# EAGLE board 14202-RedBoard-Panel (EAGLE 9.0.1), part 3 of 6
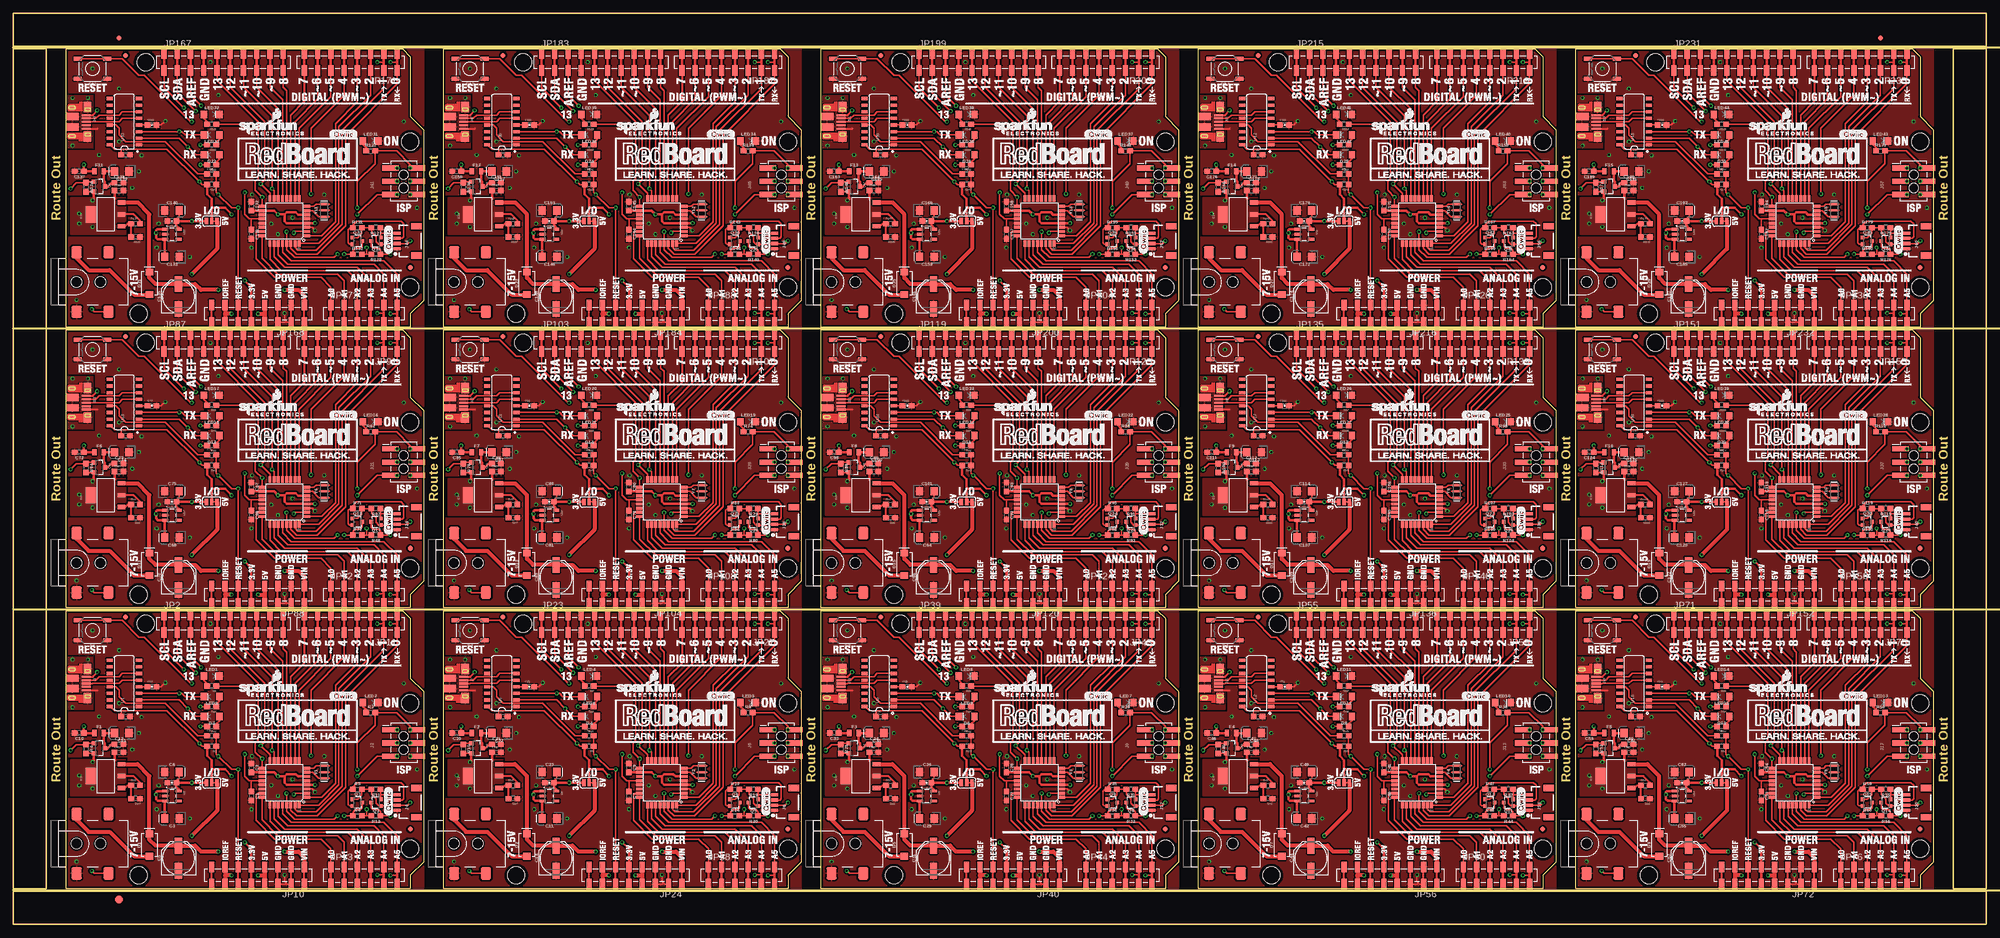
[diagram p0: board, top side]
## Tracks (layer width: path | path; a pad name or v marks a point on that pad's centre or on a via) (continued)
3.3V12  (via drill 0.38) (continued)
  Top 0.305: C166.+ 176.66,135.77 176.11,135.22 C167.1 | Q39.1 210.84,131.71 211.67,132.55 R155.2 R151.2 213.53,132.68 214.38,131.83 214.38,130.94 214.9,130.41 Q38.1 216.77,130.41 216.92,130.56 J52.2 220.48,130.56 v220.98,131.06
  Top 0.508: JP200.5 190.5,122.17 v189.23,123.44 | I/O12.1 v179.07,134.87 C167.1 176.11,134.02 176.53,133.6 176.53,133.31 U38.5
  Bottom 0.305: v189.23,123.44 190.12,122.56 206.12,122.56 213.36,115.32 217.93,115.32 218.44,115.82 218.44,128.52 v220.98,131.06
  Bottom 0.508: v179.07,134.87 179.07,133.6 v189.23,123.44
3.3V13  (via drill 0.38)
  Top 0.254: 262.89,118.74 JP216.5
  Top 0.305: C179.+ 249.05,135.77 248.5,135.22 C180.1 | Q42.1 283.23,131.71 284.06,132.55 R167.2 R163.2 285.92,132.68 286.77,131.83 286.77,130.94 287.29,130.41 Q41.1 289.16,130.41 289.31,130.56 J56.2 292.87,130.56 v293.37,131.06
  Top 0.508: JP216.5 262.89,122.17 v261.62,123.44 | I/O13.1 v251.46,134.87 C180.1 248.5,134.02 248.92,133.6 248.92,133.31 U41.5
  Bottom 0.305: v261.62,123.44 262.51,122.56 278.51,122.56 285.75,115.32 290.32,115.32 290.83,115.82 290.83,128.52 v293.37,131.06
  Bottom 0.508: v251.46,134.87 251.46,133.6 v261.62,123.44
3.3V14  (via drill 0.38)
  Top 0.254: 335.28,118.74 JP232.5
  Top 0.305: C192.+ 321.44,135.77 320.89,135.22 C193.1 | Q45.1 355.62,131.71 356.45,132.55 R179.2 R175.2 358.31,132.68 359.16,131.83 359.16,130.94 359.68,130.41 Q44.1 361.55,130.41 361.7,130.56 J60.2 365.26,130.56 v365.76,131.06
  Top 0.508: JP232.5 335.28,122.17 v334.01,123.44 | I/O14.1 v323.85,134.87 C193.1 320.89,134.02 321.31,133.6 321.31,133.31 U44.5
  Bottom 0.305: v334.01,123.44 334.9,122.56 350.9,122.56 358.14,115.32 362.71,115.32 363.22,115.82 363.22,128.52 v365.76,131.06
  Bottom 0.508: v323.85,134.87 323.85,133.6 v334.01,123.44
5V  (via drill 0.38)
  Top 0.305: JP10.4 48.26,8.89 | R4.2 15.48,32.8 Q1.2
  Top 0.406: IC3.2 23.11,28.45 24.34,27.22 R15.2
  Top 0.508: C3.+ 29.08,23.59 U3.3 27.75,23.69 27.43,24 v27.43,24.89 27.43,25.4 27.62,25.59 U3.1 | Q1.2 15.51,31.4 v15.24,31.13 | C4.1 19.47,31.41
  Top 0.762: v46.99,9.4 48.01,9.4 48.26,9.65 | v41.91,9.4 40.64,9.4 | 40.64,9.4 JP10.7 | 40.64,11.05 40.64,9.4 | I/O.3 39.12,21.84 v34.29,17.02
  Top 0.813: JP10.4 48.26,9.65 48.26,8.89 48.26,7.75
  Bottom 0.762: v46.99,9.4 v41.91,9.4 v34.29,17.02 27.43,23.88 v27.43,24.89 21.72,24.89
  other vias: 12.7,28.59 15.24,26.05 12.7,26.68
  pour Bottom (isolate 0.305, no thermals): 11.05,36.83 20.95,36.83 20.95,27.18 22.86,25.27 22.86,24.64 11.05,24.64
  pour Top (isolate 0.305, no thermals): 11.05,24.64 11.05,31.62 21.59,31.62 21.59,24.64
5V1  (via drill 0.38)
  Top 0.305: JP24.4 120.65,8.89 | R10.2 87.87,32.8 Q4.2
  Top 0.406: IC1.2 95.5,28.45 96.73,27.22 R18.2
  Top 0.508: C11.+ 101.47,23.59 U5.3 100.14,23.69 99.82,24 v99.82,24.89 99.82,25.4 100.01,25.59 U5.1 | Q4.2 87.9,31.4 v87.63,31.13 | C13.1 91.86,31.41
  Top 0.762: v119.38,9.4 120.4,9.4 120.65,9.65 | v114.3,9.4 113.03,9.4 | 113.03,9.4 JP24.7 | 113.03,11.05 113.03,9.4 | I/O1.3 111.51,21.84 v106.68,17.02
  Top 0.813: JP24.4 120.65,9.65 120.65,8.89 120.65,7.75
  Bottom 0.762: v119.38,9.4 v114.3,9.4 v106.68,17.02 99.82,23.88 v99.82,24.89 94.11,24.89
  other vias: 85.09,28.59 87.63,26.05 85.09,26.68
  pour Bottom (isolate 0.305, no thermals): 83.44,36.83 93.34,36.83 93.34,27.18 95.25,25.27 95.25,24.64 83.44,24.64
  pour Top (isolate 0.305, no thermals): 83.44,24.64 83.44,31.62 93.98,31.62 93.98,24.64
5V2  (via drill 0.38)
  Top 0.305: JP40.4 193.04,8.89 | R28.2 160.26,32.8 Q7.2
  Top 0.406: IC2.2 167.89,28.45 169.12,27.22 R30.2
  Top 0.508: C29.+ 173.86,23.59 U8.3 172.53,23.69 172.21,24 v172.21,24.89 172.21,25.4 172.4,25.59 U8.1 | Q7.2 160.29,31.4 v160.02,31.13 | C30.1 164.25,31.41
  Top 0.762: v191.77,9.4 192.79,9.4 193.04,9.65 | v186.69,9.4 185.42,9.4 | 185.42,9.4 JP40.7 | 185.42,11.05 185.42,9.4 | I/O2.3 183.9,21.84 v179.07,17.02
  Top 0.813: JP40.4 193.04,9.65 193.04,8.89 193.04,7.75
  Bottom 0.762: v191.77,9.4 v186.69,9.4 v179.07,17.02 172.21,23.88 v172.21,24.89 166.5,24.89
  other vias: 157.48,28.59 160.02,26.05 157.48,26.68
  pour Bottom (isolate 0.305, no thermals): 155.83,36.83 165.73,36.83 165.73,27.18 167.64,25.27 167.64,24.64 155.83,24.64
  pour Top (isolate 0.305, no thermals): 155.83,24.64 155.83,31.62 166.37,31.62 166.37,24.64
5V3  (via drill 0.38)
  Top 0.305: JP56.4 265.43,8.89 | R40.2 232.65,32.8 Q10.2
  Top 0.406: IC4.2 240.28,28.45 241.51,27.22 R42.2
  Top 0.508: C42.+ 246.25,23.59 U11.3 244.92,23.69 244.6,24 v244.6,24.89 244.6,25.4 244.79,25.59 U11.1 | Q10.2 232.68,31.4 v232.41,31.13 | C43.1 236.64,31.41
  Top 0.762: v264.16,9.4 265.18,9.4 265.43,9.65 | v259.08,9.4 257.81,9.4 | 257.81,9.4 JP56.7 | 257.81,11.05 257.81,9.4 | I/O3.3 256.29,21.84 v251.46,17.02
  Top 0.813: JP56.4 265.43,9.65 265.43,8.89 265.43,7.75
  Bottom 0.762: v264.16,9.4 v259.08,9.4 v251.46,17.02 244.6,23.88 v244.6,24.89 238.89,24.89
  other vias: 229.87,28.59 232.41,26.05 229.87,26.68
  pour Bottom (isolate 0.305, no thermals): 228.22,36.83 238.12,36.83 238.12,27.18 240.03,25.27 240.03,24.64 228.22,24.64
  pour Top (isolate 0.305, no thermals): 228.22,24.64 228.22,31.62 238.76,31.62 238.76,24.64
5V4  (via drill 0.38)
  Top 0.305: JP72.4 337.82,8.89 | R52.2 305.04,32.8 Q13.2
  Top 0.406: IC5.2 312.67,28.45 313.91,27.22 R54.2
  Top 0.508: C55.+ 318.64,23.59 U14.3 317.31,23.69 316.99,24 v316.99,24.89 316.99,25.4 317.18,25.59 U14.1 | Q13.2 305.07,31.4 v304.8,31.13 | C56.1 309.03,31.41
  Top 0.762: v336.55,9.4 337.57,9.4 337.82,9.65 | v331.47,9.4 330.2,9.4 | 330.2,9.4 JP72.7 | 330.2,11.05 330.2,9.4 | I/O4.3 328.68,21.84 v323.85,17.02
  Top 0.813: JP72.4 337.82,9.65 337.82,8.89 337.82,7.75
  Bottom 0.762: v336.55,9.4 v331.47,9.4 v323.85,17.02 316.99,23.88 v316.99,24.89 311.28,24.89
  other vias: 302.26,28.59 304.8,26.05 302.26,26.68
  pour Bottom (isolate 0.305, no thermals): 300.61,36.83 310.52,36.83 310.52,27.18 312.42,25.27 312.42,24.64 300.61,24.64
  pour Top (isolate 0.305, no thermals): 300.61,24.64 300.61,31.62 311.15,31.62 311.15,24.64
5V5  (via drill 0.38)
  Top 0.305: JP88.4 48.26,62.74 | R64.2 15.48,86.65 Q16.2
  Top 0.406: IC6.2 23.11,82.3 24.34,81.06 R66.2
  Top 0.508: C68.+ 29.08,77.44 U17.3 27.75,77.54 27.43,77.85 v27.43,78.74 27.43,79.25 27.62,79.44 U17.1 | Q16.2 15.51,85.25 v15.24,84.98 | C69.1 19.47,85.26
  Top 0.762: v46.99,63.25 48.01,63.25 48.26,63.5 | v41.91,63.25 40.64,63.25 | 40.64,63.25 JP88.7 | 40.64,64.9 40.64,63.25 | I/O5.3 39.12,75.69 v34.29,70.87
  Top 0.813: JP88.4 48.26,63.5 48.26,62.74 48.26,61.6
  Bottom 0.762: v46.99,63.25 v41.91,63.25 v34.29,70.87 27.43,77.72 v27.43,78.74 21.72,78.74
  other vias: 12.7,82.44 15.24,79.9 12.7,80.53
  pour Bottom (isolate 0.305, no thermals): 11.05,90.68 20.95,90.68 20.95,81.03 22.86,79.12 22.86,78.49 11.05,78.49
  pour Top (isolate 0.305, no thermals): 11.05,78.49 11.05,85.47 21.59,85.47 21.59,78.49
5V6  (via drill 0.38)
  Top 0.305: JP104.4 120.65,62.74 | R76.2 87.87,86.65 Q19.2
  Top 0.406: IC7.2 95.5,82.3 96.73,81.06 R78.2
  Top 0.508: C81.+ 101.47,77.44 U20.3 100.14,77.54 99.82,77.85 v99.82,78.74 99.82,79.25 100.01,79.44 U20.1 | Q19.2 87.9,85.25 v87.63,84.98 | C82.1 91.86,85.26
  Top 0.762: v119.38,63.25 120.4,63.25 120.65,63.5 | v114.3,63.25 113.03,63.25 | 113.03,63.25 JP104.7 | 113.03,64.9 113.03,63.25 | I/O6.3 111.51,75.69 v106.68,70.87
  Top 0.813: JP104.4 120.65,63.5 120.65,62.74 120.65,61.6
  Bottom 0.762: v119.38,63.25 v114.3,63.25 v106.68,70.87 99.82,77.72 v99.82,78.74 94.11,78.74
  other vias: 85.09,82.44 87.63,79.9 85.09,80.53
  pour Bottom (isolate 0.305, no thermals): 83.44,90.68 93.34,90.68 93.34,81.03 95.25,79.12 95.25,78.49 83.44,78.49
  pour Top (isolate 0.305, no thermals): 83.44,78.49 83.44,85.47 93.98,85.47 93.98,78.49
5V7  (via drill 0.38)
  Top 0.305: JP120.4 193.04,62.74 | R88.2 160.26,86.65 Q22.2
  Top 0.406: IC8.2 167.89,82.3 169.12,81.06 R90.2
  Top 0.508: C94.+ 173.86,77.44 U23.3 172.53,77.54 172.21,77.85 v172.21,78.74 172.21,79.25 172.4,79.44 U23.1 | Q22.2 160.29,85.25 v160.02,84.98 | C95.1 164.25,85.26
  Top 0.762: v191.77,63.25 192.79,63.25 193.04,63.5 | v186.69,63.25 185.42,63.25 | 185.42,63.25 JP120.7 | 185.42,64.9 185.42,63.25 | I/O7.3 183.9,75.69 v179.07,70.87
  Top 0.813: JP120.4 193.04,63.5 193.04,62.74 193.04,61.6
  Bottom 0.762: v191.77,63.25 v186.69,63.25 v179.07,70.87 172.21,77.72 v172.21,78.74 166.5,78.74
  other vias: 157.48,82.44 160.02,79.9 157.48,80.53
  pour Bottom (isolate 0.305, no thermals): 155.83,90.68 165.73,90.68 165.73,81.03 167.64,79.12 167.64,78.49 155.83,78.49
  pour Top (isolate 0.305, no thermals): 155.83,78.49 155.83,85.47 166.37,85.47 166.37,78.49
5V8  (via drill 0.38)
  Top 0.305: JP136.4 265.43,62.74 | R100.2 232.65,86.65 Q25.2
  Top 0.406: IC9.2 240.28,82.3 241.51,81.06 R102.2
  Top 0.508: C107.+ 246.25,77.44 U26.3 244.92,77.54 244.6,77.85 v244.6,78.74 244.6,79.25 244.79,79.44 U26.1 | Q25.2 232.68,85.25 v232.41,84.98 | C108.1 236.64,85.26
  Top 0.762: v264.16,63.25 265.18,63.25 265.43,63.5 | v259.08,63.25 257.81,63.25 | 257.81,63.25 JP136.7 | 257.81,64.9 257.81,63.25 | I/O8.3 256.29,75.69 v251.46,70.87
  Top 0.813: JP136.4 265.43,63.5 265.43,62.74 265.43,61.6
  Bottom 0.762: v264.16,63.25 v259.08,63.25 v251.46,70.87 244.6,77.72 v244.6,78.74 238.89,78.74
  other vias: 229.87,82.44 232.41,79.9 229.87,80.53
  pour Bottom (isolate 0.305, no thermals): 228.22,90.68 238.12,90.68 238.12,81.03 240.03,79.12 240.03,78.49 228.22,78.49
  pour Top (isolate 0.305, no thermals): 228.22,78.49 228.22,85.47 238.76,85.47 238.76,78.49
5V9  (via drill 0.38)
  Top 0.305: JP152.4 337.82,62.74 | R112.2 305.04,86.65 Q28.2
  Top 0.406: IC10.2 312.67,82.3 313.91,81.06 R114.2
  Top 0.508: C120.+ 318.64,77.44 U29.3 317.31,77.54 316.99,77.85 v316.99,78.74 316.99,79.25 317.18,79.44 U29.1 | Q28.2 305.07,85.25 v304.8,84.98 | C121.1 309.03,85.26
  Top 0.762: v336.55,63.25 337.57,63.25 337.82,63.5 | v331.47,63.25 330.2,63.25 | 330.2,63.25 JP152.7 | 330.2,64.9 330.2,63.25 | I/O9.3 328.68,75.69 v323.85,70.87
  Top 0.813: JP152.4 337.82,63.5 337.82,62.74 337.82,61.6
  Bottom 0.762: v336.55,63.25 v331.47,63.25 v323.85,70.87 316.99,77.72 v316.99,78.74 311.28,78.74
  other vias: 302.26,82.44 304.8,79.9 302.26,80.53
  pour Bottom (isolate 0.305, no thermals): 300.61,90.68 310.52,90.68 310.52,81.03 312.42,79.12 312.42,78.49 300.61,78.49
  pour Top (isolate 0.305, no thermals): 300.61,78.49 300.61,85.47 311.15,85.47 311.15,78.49
5V10  (via drill 0.38)
  Top 0.305: JP168.4 48.26,116.59 | R124.2 15.48,140.5 Q31.2
  Top 0.406: IC11.2 23.11,136.14 24.34,134.91 R126.2
  Top 0.508: C133.+ 29.08,131.28 U32.3 27.75,131.38 27.43,131.7 v27.43,132.59 27.43,133.1 27.62,133.28 U32.1 | Q31.2 15.51,139.09 v15.24,138.82 | C134.1 19.47,139.1
  Top 0.762: v46.99,117.09 48.01,117.09 48.26,117.35 | v41.91,117.09 40.64,117.09 | 40.64,117.09 JP168.7 | 40.64,118.74 40.64,117.09 | I/O10.3 39.12,129.54 v34.29,124.71
  Top 0.813: JP168.4 48.26,117.35 48.26,116.59 48.26,115.44
  Bottom 0.762: v46.99,117.09 v41.91,117.09 v34.29,124.71 27.43,131.57 v27.43,132.59 21.72,132.59
  other vias: 12.7,136.28 15.24,133.74 12.7,134.38
  pour Bottom (isolate 0.305, no thermals): 11.05,144.53 20.95,144.53 20.95,134.87 22.86,132.97 22.86,132.33 11.05,132.33
  pour Top (isolate 0.305, no thermals): 11.05,132.33 11.05,139.32 21.59,139.32 21.59,132.33
5V11  (via drill 0.38)
  Top 0.305: JP184.4 120.65,116.59 | R136.2 87.87,140.5 Q34.2
  Top 0.406: IC12.2 95.5,136.14 96.73,134.91 R138.2
  Top 0.508: C146.+ 101.47,131.28 U35.3 100.14,131.38 99.82,131.7 v99.82,132.59 99.82,133.1 100.01,133.28 U35.1 | Q34.2 87.9,139.09 v87.63,138.82 | C147.1 91.86,139.1
  Top 0.762: v119.38,117.09 120.4,117.09 120.65,117.35 | v114.3,117.09 113.03,117.09 | 113.03,117.09 JP184.7 | 113.03,118.74 113.03,117.09 | I/O11.3 111.51,129.54 v106.68,124.71
  Top 0.813: JP184.4 120.65,117.35 120.65,116.59 120.65,115.44
  Bottom 0.762: v119.38,117.09 v114.3,117.09 v106.68,124.71 99.82,131.57 v99.82,132.59 94.11,132.59
  other vias: 85.09,136.28 87.63,133.74 85.09,134.38
  pour Bottom (isolate 0.305, no thermals): 83.44,144.53 93.34,144.53 93.34,134.87 95.25,132.97 95.25,132.33 83.44,132.33
  pour Top (isolate 0.305, no thermals): 83.44,132.33 83.44,139.32 93.98,139.32 93.98,132.33
5V12  (via drill 0.38)
  Top 0.305: JP200.4 193.04,116.59 | R148.2 160.26,140.5 Q37.2
  Top 0.406: IC13.2 167.89,136.14 169.12,134.91 R150.2
  Top 0.508: C159.+ 173.86,131.28 U38.3 172.53,131.38 172.21,131.7 v172.21,132.59 172.21,133.1 172.4,133.28 U38.1 | Q37.2 160.29,139.09 v160.02,138.82 | C160.1 164.25,139.1
  Top 0.762: v191.77,117.09 192.79,117.09 193.04,117.35 | v186.69,117.09 185.42,117.09 | 185.42,117.09 JP200.7 | 185.42,118.74 185.42,117.09 | I/O12.3 183.9,129.54 v179.07,124.71
  Top 0.813: JP200.4 193.04,117.35 193.04,116.59 193.04,115.44
  Bottom 0.762: v191.77,117.09 v186.69,117.09 v179.07,124.71 172.21,131.57 v172.21,132.59 166.5,132.59
  other vias: 157.48,136.28 160.02,133.74 157.48,134.38
  pour Bottom (isolate 0.305, no thermals): 155.83,144.53 165.73,144.53 165.73,134.87 167.64,132.97 167.64,132.33 155.83,132.33
  pour Top (isolate 0.305, no thermals): 155.83,132.33 155.83,139.32 166.37,139.32 166.37,132.33
5V13  (via drill 0.38)
  Top 0.305: JP216.4 265.43,116.59 | R160.2 232.65,140.5 Q40.2
  Top 0.406: IC14.2 240.28,136.14 241.51,134.91 R162.2
  Top 0.508: C172.+ 246.25,131.28 U41.3 244.92,131.38 244.6,131.7 v244.6,132.59 244.6,133.1 244.79,133.28 U41.1 | Q40.2 232.68,139.09 v232.41,138.82 | C173.1 236.64,139.1
  Top 0.762: v264.16,117.09 265.18,117.09 265.43,117.35 | v259.08,117.09 257.81,117.09 | 257.81,117.09 JP216.7 | 257.81,118.74 257.81,117.09 | I/O13.3 256.29,129.54 v251.46,124.71
  Top 0.813: JP216.4 265.43,117.35 265.43,116.59 265.43,115.44
  Bottom 0.762: v264.16,117.09 v259.08,117.09 v251.46,124.71 244.6,131.57 v244.6,132.59 238.89,132.59
  other vias: 229.87,136.28 232.41,133.74 229.87,134.38
  pour Bottom (isolate 0.305, no thermals): 228.22,144.53 238.12,144.53 238.12,134.87 240.03,132.97 240.03,132.33 228.22,132.33
  pour Top (isolate 0.305, no thermals): 228.22,132.33 228.22,139.32 238.76,139.32 238.76,132.33
5V14  (via drill 0.38)
  Top 0.305: JP232.4 337.82,116.59 | R172.2 305.04,140.5 Q43.2
  Top 0.406: IC15.2 312.67,136.14 313.91,134.91 R174.2
  Top 0.508: C185.+ 318.64,131.28 U44.3 317.31,131.38 316.99,131.7 v316.99,132.59 316.99,133.1 317.18,133.28 U44.1 | Q43.2 305.07,139.09 v304.8,138.82 | C186.1 309.03,139.1
  Top 0.762: v336.55,117.09 337.57,117.09 337.82,117.35 | v331.47,117.09 330.2,117.09 | 330.2,117.09 JP232.7 | 330.2,118.74 330.2,117.09 | I/O14.3 328.68,129.54 v323.85,124.71
  Top 0.813: JP232.4 337.82,117.35 337.82,116.59 337.82,115.44
  Bottom 0.762: v336.55,117.09 v331.47,117.09 v323.85,124.71 316.99,131.57 v316.99,132.59 311.28,132.59
  other vias: 302.26,136.28 304.8,133.74 302.26,134.38
  pour Bottom (isolate 0.305, no thermals): 300.61,144.53 310.52,144.53 310.52,134.87 312.42,132.97 312.42,132.33 300.61,132.33
  pour Top (isolate 0.305, no thermals): 300.61,132.33 300.61,139.32 311.15,139.32 311.15,132.33
!DTR
  Top 0.254: C8.1 35.43,36.2 29.21,42.42 21.59,42.42 20.32,43.69 20.32,44.96 19.69,45.59 U1.13
!DTR1
  Top 0.254: C19.1 107.82,36.2 101.6,42.42 93.98,42.42 92.71,43.69 92.71,44.96 92.08,45.59 U6.13
!DTR2
  Top 0.254: C32.1 180.21,36.2 173.99,42.42 166.37,42.42 165.1,43.69 165.1,44.96 164.47,45.59 U9.13
!DTR3
  Top 0.254: C45.1 252.6,36.2 246.38,42.42 238.76,42.42 237.49,43.69 237.49,44.96 236.85,45.59 U12.13
!DTR4
  Top 0.254: C58.1 324.99,36.2 318.77,42.42 311.15,42.42 309.88,43.69 309.88,44.96 309.25,45.59 U15.13
!DTR5
  Top 0.254: C71.1 35.43,90.04 29.21,96.27 21.59,96.27 20.32,97.54 20.32,98.81 19.69,99.44 U18.13
!DTR6
  Top 0.254: C84.1 107.82,90.04 101.6,96.27 93.98,96.27 92.71,97.54 92.71,98.81 92.08,99.44 U21.13
!DTR7
  Top 0.254: C97.1 180.21,90.04 173.99,96.27 166.37,96.27 165.1,97.54 165.1,98.81 164.47,99.44 U24.13
!DTR8
  Top 0.254: C110.1 252.6,90.04 246.38,96.27 238.76,96.27 237.49,97.54 237.49,98.81 236.85,99.44 U27.13
!DTR9
  Top 0.254: C123.1 324.99,90.04 318.77,96.27 311.15,96.27 309.88,97.54 309.88,98.81 309.25,99.44 U30.13
!DTR10
  Top 0.254: C136.1 35.43,143.89 29.21,150.11 21.59,150.11 20.32,151.38 20.32,152.65 19.69,153.29 U33.13
!DTR11
  Top 0.254: C149.1 107.82,143.89 101.6,150.11 93.98,150.11 92.71,151.38 92.71,152.65 92.08,153.29 U36.13
!DTR12
  Top 0.254: C162.1 180.21,143.89 173.99,150.11 166.37,150.11 165.1,151.38 165.1,152.65 164.47,153.29 U39.13
!DTR13
  Top 0.254: C175.1 252.6,143.89 246.38,150.11 238.76,150.11 237.49,151.38 237.49,152.65 236.85,153.29 U42.13
!DTR14
  Top 0.254: C188.1 324.99,143.89 318.77,150.11 311.15,150.11 309.88,151.38 309.88,152.65 309.25,153.29 U45.13
AD0
  Top 0.254: JP13.1B JP13.1A
  Top 0.305: JP13.1A 60.96,14.48 59.06,16.38 50.17,16.38 46.61,19.94 46.61,24.89 46.89,25.18 U4.23
AD1
  Top 0.254: JP13.2A JP13.2B
  Top 0.305: U4.24 47.78,20.04 50.8,17.02 62.23,17.02 63.5,15.75 JP13.2A
AD2
  Top 0.254: JP13.3B 66.04,8.13
  Top 0.305: U4.25 49.27,19.82 51.44,17.65 64.14,17.65 66.04,15.75 66.04,8.13 JP13.3A
AD3
  Top 0.254: JP13.4A JP13.4B
  Top 0.305: U4.26 50.07,20.29 52.07,18.29 66.04,18.29 68.58,15.75 JP13.4A
AD4
  Top 0.254: JP28.1B JP28.1A
  Top 0.305: JP28.1A 133.35,14.48 131.44,16.38 122.55,16.38 119,19.94 119,24.89 119.28,25.18 U2.23
AD4/SDA  (via drill 0.38)
  Top 0.254: JP13.5B 71.12,9.52 | JP2.2A JP2.2B
  Top 0.305: U4.27 50.87,20.76 52.7,18.92 69.22,18.92 71.12,17.02 71.12,9.52 | 71.12,9.52 JP13.5A | JP2.2B 31.5,51.82 v35.05,48.26 | v69.85,9.52 71.12,9.52
  Bottom 0.305: 63.5,16.51 46.99,16.51 40.89,22.61 40.89,42.42 v35.05,48.26 | v69.85,9.52 63.5,15.88 63.5,16.51 | 63.5,16.51 JP14.2
AD4/SDA1  (via drill 0.38)
  Top 0.254: JP28.5B 143.51,9.52 | JP23.2A JP23.2B
  Top 0.305: U2.27 123.26,20.76 125.09,18.92 141.6,18.92 143.51,17.02 143.51,9.52 | 143.51,9.52 JP28.5A | JP23.2B 103.89,51.82 v107.44,48.26 | v142.24,9.52 143.51,9.52
  Bottom 0.305: 135.89,16.51 119.38,16.51 113.28,22.61 113.28,42.42 v107.44,48.26 | v142.24,9.52 135.89,15.88 135.89,16.51 | 135.89,16.51 JP30.2
AD4/SDA2  (via drill 0.38)
  Top 0.254: JP44.5B 215.9,9.52 | JP39.2A JP39.2B
  Top 0.305: U7.27 195.65,20.76 197.48,18.92 214,18.92 215.9,17.02 215.9,9.52 | 215.9,9.52 JP44.5A | JP39.2B 176.28,51.82 v179.83,48.26 | v214.63,9.52 215.9,9.52
  Bottom 0.305: 208.28,16.51 191.77,16.51 185.67,22.61 185.67,42.42 v179.83,48.26 | v214.63,9.52 208.28,15.88 208.28,16.51 | 208.28,16.51 JP46.2
AD4/SDA3  (via drill 0.38)
  Top 0.254: JP60.5B 288.29,9.52 | JP55.2A JP55.2B
  Top 0.305: U10.27 268.04,20.76 269.88,18.92 286.39,18.92 288.29,17.02 288.29,9.52 | 288.29,9.52 JP60.5A | JP55.2B 248.67,51.82 v252.22,48.26 | v287.02,9.52 288.29,9.52
  Bottom 0.305: 280.67,16.51 264.16,16.51 258.06,22.61 258.06,42.42 v252.22,48.26 | v287.02,9.52 280.67,15.88 280.67,16.51 | 280.67,16.51 JP62.2
AD4/SDA4  (via drill 0.38)
  Top 0.254: JP76.5B 360.68,9.52 | JP71.2A JP71.2B
  Top 0.305: U13.27 340.43,20.76 342.27,18.92 358.78,18.92 360.68,17.02 360.68,9.52 | 360.68,9.52 JP76.5A | JP71.2B 321.06,51.82 v324.61,48.26 | v359.41,9.52 360.68,9.52
  Bottom 0.305: 353.06,16.51 336.55,16.51 330.45,22.61 330.45,42.42 v324.61,48.26 | v359.41,9.52 353.06,15.88 353.06,16.51 | 353.06,16.51 JP78.2
AD4/SDA5  (via drill 0.38)
  Top 0.254: JP92.5B 71.12,63.37 | JP87.2A JP87.2B
  Top 0.305: U16.27 50.87,74.61 52.7,72.77 69.22,72.77 71.12,70.87 71.12,63.37 | 71.12,63.37 JP92.5A | JP87.2B 31.5,105.66 v35.05,102.11 | v69.85,63.37 71.12,63.37
  Bottom 0.305: 63.5,70.36 46.99,70.36 40.89,76.45 40.89,96.27 v35.05,102.11 | v69.85,63.37 63.5,69.72 63.5,70.36 | 63.5,70.36 JP94.2
AD4/SDA6  (via drill 0.38)
  Top 0.254: JP108.5B 143.51,63.37 | JP103.2A JP103.2B
  Top 0.305: U19.27 123.26,74.61 125.09,72.77 141.6,72.77 143.51,70.87 143.51,63.37 | 143.51,63.37 JP108.5A | JP103.2B 103.89,105.66 v107.44,102.11 | v142.24,63.37 143.51,63.37
  Bottom 0.305: 135.89,70.36 119.38,70.36 113.28,76.45 113.28,96.27 v107.44,102.11 | v142.24,63.37 135.89,69.72 135.89,70.36 | 135.89,70.36 JP110.2
AD4/SDA7  (via drill 0.38)
  Top 0.254: JP124.5B 215.9,63.37 | JP119.2A JP119.2B
  Top 0.305: U22.27 195.65,74.61 197.48,72.77 214,72.77 215.9,70.87 215.9,63.37 | 215.9,63.37 JP124.5A | JP119.2B 176.28,105.66 v179.83,102.11 | v214.63,63.37 215.9,63.37
  Bottom 0.305: 208.28,70.36 191.77,70.36 185.67,76.45 185.67,96.27 v179.83,102.11 | v214.63,63.37 208.28,69.72 208.28,70.36 | 208.28,70.36 JP126.2
AD4/SDA8  (via drill 0.38)
  Top 0.254: JP140.5B 288.29,63.37 | JP135.2A JP135.2B
  Top 0.305: U25.27 268.04,74.61 269.88,72.77 286.39,72.77 288.29,70.87 288.29,63.37 | 288.29,63.37 JP140.5A | JP135.2B 248.67,105.66 v252.22,102.11 | v287.02,63.37 288.29,63.37
  Bottom 0.305: 280.67,70.36 264.16,70.36 258.06,76.45 258.06,96.27 v252.22,102.11 | v287.02,63.37 280.67,69.72 280.67,70.36 | 280.67,70.36 JP142.2
AD4/SDA9  (via drill 0.38)
  Top 0.254: JP156.5B 360.68,63.37 | JP151.2A JP151.2B
  Top 0.305: U28.27 340.43,74.61 342.27,72.77 358.78,72.77 360.68,70.87 360.68,63.37 | 360.68,63.37 JP156.5A | JP151.2B 321.06,105.66 v324.61,102.11 | v359.41,63.37 360.68,63.37
  Bottom 0.305: 353.06,70.36 336.55,70.36 330.45,76.45 330.45,96.27 v324.61,102.11 | v359.41,63.37 353.06,69.72 353.06,70.36 | 353.06,70.36 JP158.2
AD4/SDA10  (via drill 0.38)
  Top 0.254: JP172.5B 71.12,117.22 | JP167.2A JP167.2B
  Top 0.305: U31.27 50.87,128.45 52.7,126.62 69.22,126.62 71.12,124.71 71.12,117.22 | 71.12,117.22 JP172.5A | JP167.2B 31.5,159.51 v35.05,155.96 | v69.85,117.22 71.12,117.22
  Bottom 0.305: 63.5,124.21 46.99,124.21 40.89,130.3 40.89,150.11 v35.05,155.96 | v69.85,117.22 63.5,123.57 63.5,124.21 | 63.5,124.21 JP174.2
AD4/SDA11  (via drill 0.38)
  Top 0.254: JP188.5B 143.51,117.22 | JP183.2A JP183.2B
  Top 0.305: U34.27 123.26,128.45 125.09,126.62 141.6,126.62 143.51,124.71 143.51,117.22 | 143.51,117.22 JP188.5A | JP183.2B 103.89,159.51 v107.44,155.96 | v142.24,117.22 143.51,117.22
  Bottom 0.305: 135.89,124.21 119.38,124.21 113.28,130.3 113.28,150.11 v107.44,155.96 | v142.24,117.22 135.89,123.57 135.89,124.21 | 135.89,124.21 JP190.2
AD4/SDA12  (via drill 0.38)
  Top 0.254: JP204.5B 215.9,117.22 | JP199.2A JP199.2B
  Top 0.305: U37.27 195.65,128.45 197.48,126.62 214,126.62 215.9,124.71 215.9,117.22 | 215.9,117.22 JP204.5A | JP199.2B 176.28,159.51 v179.83,155.96 | v214.63,117.22 215.9,117.22
  Bottom 0.305: 208.28,124.21 191.77,124.21 185.67,130.3 185.67,150.11 v179.83,155.96 | v214.63,117.22 208.28,123.57 208.28,124.21 | 208.28,124.21 JP206.2
AD4/SDA13  (via drill 0.38)
  Top 0.254: JP220.5B 288.29,117.22 | JP215.2A JP215.2B
  Top 0.305: U40.27 268.04,128.45 269.88,126.62 286.39,126.62 288.29,124.71 288.29,117.22 | 288.29,117.22 JP220.5A | JP215.2B 248.67,159.51 v252.22,155.96 | v287.02,117.22 288.29,117.22
  Bottom 0.305: 280.67,124.21 264.16,124.21 258.06,130.3 258.06,150.11 v252.22,155.96 | v287.02,117.22 280.67,123.57 280.67,124.21 | 280.67,124.21 JP222.2
AD4/SDA14  (via drill 0.38)
  Top 0.254: JP236.5B 360.68,117.22 | JP231.2A JP231.2B
  Top 0.305: U43.27 340.43,128.45 342.27,126.62 358.78,126.62 360.68,124.71 360.68,117.22 | 360.68,117.22 JP236.5A | JP231.2B 321.06,159.51 v324.61,155.96 | v359.41,117.22 360.68,117.22
  Bottom 0.305: 353.06,124.21 336.55,124.21 330.45,130.3 330.45,150.11 v324.61,155.96 | v359.41,117.22 353.06,123.57 353.06,124.21 | 353.06,124.21 JP238.2
AD5
  Top 0.254: JP28.2A JP28.2B
  Top 0.305: U2.24 120.17,20.04 123.19,17.02 134.62,17.02 135.89,15.75 JP28.2A
AD5/SCL  (via drill 0.38)
  Top 0.254: 73.66,9.4 JP13.6B | JP2.1A JP2.1B
  Top 0.305: U4.28 51.67,21.23 53.34,19.56 70.36,19.56 71.12,19.56 73.66,17.02 JP13.6A 73.66,9.4 v72.39,9.4 | JP2.1B 28.96,52.7 v32.77,48.89
  Bottom 0.305: JP12.2 v72.39,9.4 71.5,8.51 69.34,8.51 62.1,15.75 46.48,15.75 40.26,21.97 40.26,41.78 33.15,48.89 v32.77,48.89
AD5/SCL1  (via drill 0.38)
  Top 0.254: 146.05,9.4 JP28.6B | JP23.1A JP23.1B
  Top 0.305: U2.28 124.06,21.23 125.73,19.56 142.75,19.56 143.51,19.56 146.05,17.02 JP28.6A 146.05,9.4 v144.78,9.4 | JP23.1B 101.35,52.7 v105.16,48.89
  Bottom 0.305: JP29.2 v144.78,9.4 143.89,8.51 141.73,8.51 134.49,15.75 118.87,15.75 112.65,21.97 112.65,41.78 105.54,48.89 v105.16,48.89
AD5/SCL2  (via drill 0.38)
  Top 0.254: 218.44,9.4 JP44.6B | JP39.1A JP39.1B
  Top 0.305: U7.28 196.45,21.23 198.12,19.56 215.14,19.56 215.9,19.56 218.44,17.02 JP44.6A 218.44,9.4 v217.17,9.4 | JP39.1B 173.74,52.7 v177.55,48.89
  Bottom 0.305: JP45.2 v217.17,9.4 216.28,8.51 214.12,8.51 206.88,15.75 191.26,15.75 185.04,21.97 185.04,41.78 177.93,48.89 v177.55,48.89
AD5/SCL3  (via drill 0.38)
  Top 0.254: 290.83,9.4 JP60.6B | JP55.1A JP55.1B
  Top 0.305: U10.28 268.84,21.23 270.51,19.56 287.53,19.56 288.29,19.56 290.83,17.02 JP60.6A 290.83,9.4 v289.56,9.4 | JP55.1B 246.13,52.7 v249.94,48.89
  Bottom 0.305: JP61.2 v289.56,9.4 288.67,8.51 286.51,8.51 279.27,15.75 263.65,15.75 257.43,21.97 257.43,41.78 250.32,48.89 v249.94,48.89